# Altium PCB host_board.PcbDoc (part 3 of 7)
Units mm, origin at the board's own origin, x right, y up, seen from the top; angles counter-clockwise.
Board outline 87.1 x 62.94 mm, 4 copper layers (Top Layer, GND, Power, Bottom Layer), stack 1.59 mm thick; 217 components, 247 nets, 1076 pads, 563 vias.
Unrouted connection lines stored in the file: 56.
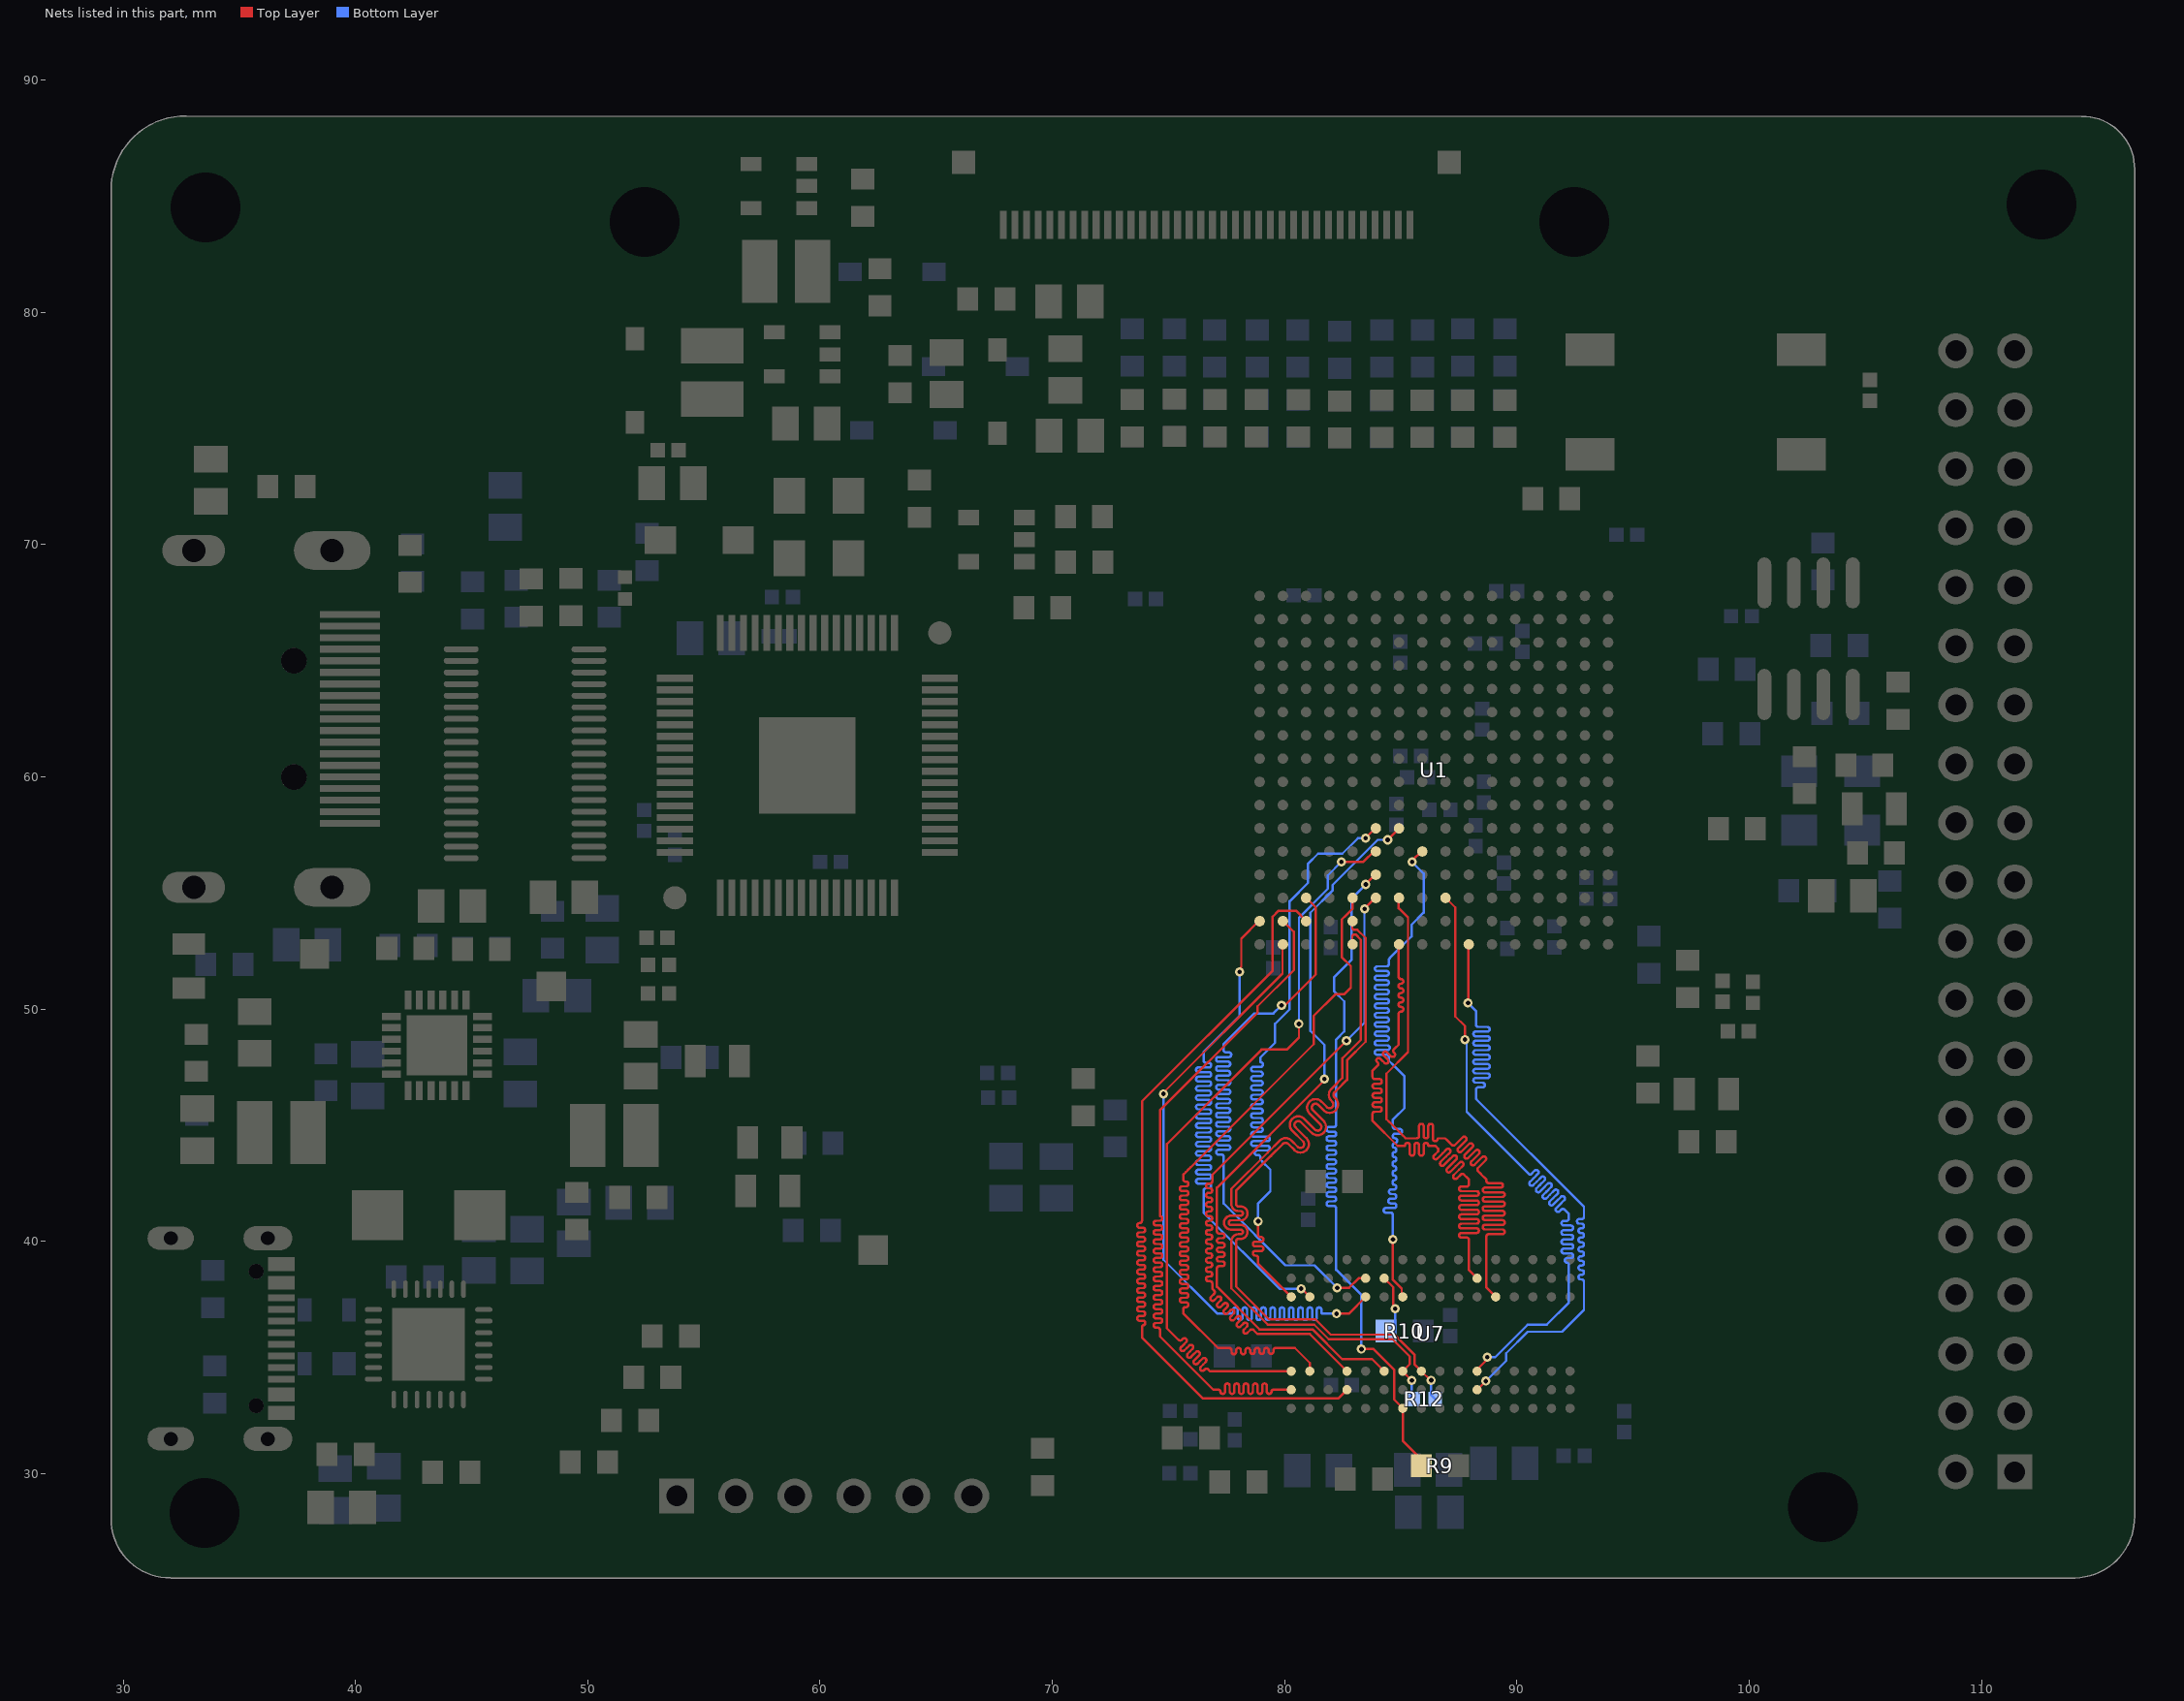
[diagram p5: the nets of this part, all layers, seen from the top]

## Via types
v1: diameter 0.4, hole 0.2, Top Layer to Bottom Layer, tented both sides, 485 vias
v2: diameter 0.4, hole 0.2, Top Layer to Bottom Layer, tented top, 61 vias
v3: diameter 0.5, hole 0.2, Top Layer to Bottom Layer, 9 vias
v4: diameter 0.4, hole 0.2, Top Layer to Bottom Layer, 8 vias

## Nets (pads, with @x,y where several pads share a name; then routed paths per layer and width w, separated by ;. In a path a pad name is that pad's centre, name@x,y a point inside that pad or via, vN(x,y) a via of type N, cw(c..) or ccw(c..) an arc to the next point about the centre after c; other vN are vias at no path point) (continued)
DDR_A8: U1.B2 U7.T8 | length 37.6
  Top Layer w0.1: U1.B2@79.905,53.82 80.39,53.335 80.39,51.688 78.83,50.128 78.83,49.846 74.63,45.646 74.63,41.195 74.63,41.095 cw(c74.63,40.995) 74.73,40.995 cw(c74.63,40.995) 74.63,40.895 74.461,40.895 ccw(c74.461,40.795) 74.361,40.795 ccw(c74.461,40.795) 74.461,40.695 74.63,40.695 cw(c74.63,40.595) 74.73,40.595 cw(c74.63,40.595) 74.63,40.495 74.461,40.495 ccw(c74.461,40.395) 74.361,40.395 ccw(c74.461,40.395) 74.461,40.295 74.63,40.295 cw(c74.63,40.195) 74.73,40.195 cw(c74.63,40.195) 74.63,40.095 74.461,40.095 ccw(c74.461,39.995) 74.361,39.995 ccw(c74.461,39.995) 74.461,39.895 74.63,39.895 cw(c74.63,39.795) 74.73,39.795 cw(c74.63,39.795) 74.63,39.695 74.461,39.695 ccw(c74.461,39.595) 74.361,39.595 ccw(c74.461,39.595) 74.461,39.495 74.63,39.495 cw(c74.63,39.395) 74.73,39.395 cw(c74.63,39.395) 74.63,39.295 74.461,39.295 ccw(c74.461,39.195) 74.361,39.195 ccw(c74.461,39.195) 74.461,39.095 74.63,39.095 cw(c74.63,38.995) 74.73,38.995 cw(c74.63,38.995) 74.63,38.895 74.461,38.895 ccw(c74.461,38.795) 74.361,38.795 ccw(c74.461,38.795) 74.461,38.695 74.63,38.695 cw(c74.63,38.595) 74.73,38.595 cw(c74.63,38.595) 74.63,38.495 74.461,38.495 ccw(c74.461,38.395) 74.361,38.395 ccw(c74.461,38.395) 74.461,38.295 74.63,38.295 cw(c74.63,38.195) 74.73,38.195 cw(c74.63,38.195) 74.63,38.095 74.461,38.095 ccw(c74.461,37.995) 74.361,37.995 ccw(c74.461,37.995) 74.461,37.895 74.63,37.895 cw(c74.63,37.795) 74.73,37.795 cw(c74.63,37.795) 74.63,37.695 74.461,37.695 ccw(c74.461,37.595) 74.361,37.595 ccw(c74.461,37.595) 74.461,37.495 74.63,37.495 cw(c74.63,37.395) 74.73,37.395 cw(c74.63,37.395) 74.63,37.295 74.461,37.295 ccw(c74.461,37.195) 74.361,37.195 ccw(c74.461,37.195) 74.461,37.095 74.63,37.095 cw(c74.63,36.995) 74.73,36.995 cw(c74.63,36.995) 74.63,36.895 74.461,36.895 ccw(c74.461,36.795) 74.361,36.795 ccw(c74.461,36.795) 74.461,36.695 74.63,36.695 cw(c74.63,36.595) 74.73,36.595 cw(c74.63,36.595) 74.63,36.495 74.461,36.495 ccw(c74.461,36.395) 74.361,36.395 ccw(c74.461,36.395) 74.461,36.295 74.53,36.295 cw(c74.53,36.195) 74.63,36.195 74.63,36.148 74.63,35.92 76.93,33.62 77.105,33.62 77.155,33.62 cw(c77.155,33.545) 77.23,33.545 ccw(c77.33,33.545) 77.33,33.445 ccw(c77.33,33.545) 77.43,33.545 77.43,33.62 77.43,33.789 cw(c77.53,33.789) 77.53,33.889 cw(c77.53,33.789) 77.63,33.789 77.63,33.62 77.63,33.545 ccw(c77.73,33.545) 77.73,33.445 ccw(c77.73,33.545) 77.83,33.545 77.83,33.62 77.83,33.789 cw(c77.93,33.789) 77.93,33.889 cw(c77.93,33.789) 78.03,33.789 78.03,33.62 78.03,33.545 ccw(c78.13,33.545) 78.13,33.445 ccw(c78.13,33.545) 78.23,33.545 78.23,33.62 78.23,33.789 cw(c78.33,33.789) 78.33,33.889 cw(c78.33,33.789) 78.43,33.789 78.43,33.62 78.43,33.545 ccw(c78.53,33.545) 78.53,33.445 ccw(c78.53,33.545) 78.63,33.545 78.63,33.62 78.63,33.789 cw(c78.73,33.789) 78.73,33.889 cw(c78.73,33.789) 78.83,33.789 78.83,33.62 78.83,33.545 ccw(c78.93,33.545) 78.93,33.445 ccw(c78.93,33.545) 79.03,33.545 79.03,33.62 79.03,33.789 cw(c79.13,33.789) 79.13,33.889 cw(c79.13,33.789) 79.23,33.789 79.23,33.62 79.23,33.545 ccw(c79.33,33.545) 79.33,33.445 ccw(c79.33,33.545) 79.43,33.545 cw(c79.505,33.545) 79.505,33.62 79.53,33.62 U7.T8@80.28,33.62
DDR_A9: U1.A2 U7.R3 | length 34.8
  Top Layer w0.1: v1(78.061,51.611) 78.061,51.629 78.109,51.677 78.109,51.807 78.13,51.829 78.13,53.045 U1.A2@78.905,53.82 ; v2@80.705,37.995 U7.R3@81.08,37.62
  Bottom Layer w0.1: v1(78.061,51.611) 78.051,51.601 78.051,49.701 76.509,48.159 76.509,47.795 ccw(c76.609,47.795) 76.609,47.695 76.734,47.695 cw(c76.734,47.595) 76.834,47.595 cw(c76.734,47.595) 76.734,47.495 76.509,47.495 76.284,47.495 ccw(c76.284,47.395) 76.184,47.395 ccw(c76.284,47.395) 76.284,47.295 76.509,47.295 76.734,47.295 cw(c76.734,47.195) 76.834,47.195 cw(c76.734,47.195) 76.734,47.095 76.509,47.095 76.284,47.095 ccw(c76.284,46.995) 76.184,46.995 ccw(c76.284,46.995) 76.284,46.895 76.509,46.895 76.734,46.895 cw(c76.734,46.795) 76.834,46.795 cw(c76.734,46.795) 76.734,46.695 76.509,46.695 76.284,46.695 ccw(c76.284,46.595) 76.184,46.595 ccw(c76.284,46.595) 76.284,46.495 76.509,46.495 76.734,46.495 cw(c76.734,46.395) 76.834,46.395 cw(c76.734,46.395) 76.734,46.295 76.509,46.295 76.284,46.295 ccw(c76.284,46.195) 76.184,46.195 ccw(c76.284,46.195) 76.284,46.095 76.509,46.095 76.734,46.095 cw(c76.734,45.995) 76.834,45.995 cw(c76.734,45.995) 76.734,45.895 76.509,45.895 76.284,45.895 ccw(c76.284,45.795) 76.184,45.795 ccw(c76.284,45.795) 76.284,45.695 76.509,45.695 76.734,45.695 cw(c76.734,45.595) 76.834,45.595 cw(c76.734,45.595) 76.734,45.495 76.509,45.495 76.284,45.495 ccw(c76.284,45.395) 76.184,45.395 ccw(c76.284,45.395) 76.284,45.295 76.509,45.295 76.734,45.295 cw(c76.734,45.195) 76.834,45.195 cw(c76.734,45.195) 76.734,45.095 76.509,45.095 76.284,45.095 ccw(c76.284,44.995) 76.184,44.995 ccw(c76.284,44.995) 76.284,44.895 76.509,44.895 76.734,44.895 cw(c76.734,44.795) 76.834,44.795 cw(c76.734,44.795) 76.734,44.695 76.509,44.695 76.284,44.695 ccw(c76.284,44.595) 76.184,44.595 ccw(c76.284,44.595) 76.284,44.495 76.509,44.495 76.734,44.495 cw(c76.734,44.395) 76.834,44.395 cw(c76.734,44.395) 76.734,44.295 76.509,44.295 76.284,44.295 ccw(c76.284,44.195) 76.184,44.195 ccw(c76.284,44.195) 76.284,44.095 76.509,44.095 76.734,44.095 cw(c76.734,43.995) 76.834,43.995 cw(c76.734,43.995) 76.734,43.895 76.509,43.895 76.284,43.895 ccw(c76.284,43.795) 76.184,43.795 ccw(c76.284,43.795) 76.284,43.695 76.509,43.695 76.734,43.695 cw(c76.734,43.595) 76.834,43.595 cw(c76.734,43.595) 76.734,43.495 76.509,43.495 76.284,43.495 ccw(c76.284,43.395) 76.184,43.395 ccw(c76.284,43.395) 76.284,43.295 76.509,43.295 76.734,43.295 cw(c76.734,43.195) 76.834,43.195 cw(c76.734,43.195) 76.734,43.095 76.509,43.095 76.284,43.095 ccw(c76.284,42.995) 76.184,42.995 ccw(c76.284,42.995) 76.284,42.895 76.509,42.895 76.734,42.895 cw(c76.734,42.795) 76.834,42.795 cw(c76.734,42.795) 76.734,42.695 76.509,42.695 76.284,42.695 ccw(c76.284,42.595) 76.184,42.595 ccw(c76.284,42.595) 76.284,42.495 76.509,42.495 76.734,42.495 cw(c76.734,42.395) 76.834,42.395 cw(c76.734,42.395) 76.734,42.295 76.609,42.295 ccw(c76.609,42.195) 76.509,42.195 76.509,42.12 76.509,41.241 79.78,37.97 v2(80.705,37.97)
DDR_A10: U1.G6 U7.L7 | length 34.5
  Top Layer w0.1: v1(81.705,46.995) 81.705,46.945 77.08,42.32 77.08,40.443 ccw(c77.18,40.443) 77.18,40.343 77.319,40.343 cw(c77.319,40.243) 77.419,40.243 cw(c77.319,40.243) 77.319,40.143 77.18,40.143 ccw(c77.18,40.043) 77.08,40.043 ccw(c77.18,40.043) 77.18,39.943 77.319,39.943 cw(c77.319,39.843) 77.419,39.843 cw(c77.319,39.843) 77.319,39.743 77.18,39.743 ccw(c77.18,39.643) 77.08,39.643 ccw(c77.18,39.643) 77.18,39.543 77.319,39.543 cw(c77.319,39.443) 77.419,39.443 cw(c77.319,39.443) 77.319,39.343 77.18,39.343 ccw(c77.18,39.243) 77.08,39.243 ccw(c77.18,39.243) 77.18,39.143 77.319,39.143 cw(c77.319,39.043) 77.419,39.043 cw(c77.319,39.043) 77.319,38.943 77.18,38.943 ccw(c77.18,38.843) 77.08,38.843 77.08,38.743 77.08,38.543 77.08,38.433 77.08,38.395 77.08,38.053 78.913,36.22 81.189,36.22 82.469,34.94 83.76,34.94 U7.L7@84.28,34.42 ; v1(84.43,57.295) 84.905,57.77 U1.G6@84.905,57.82
  Bottom Layer w0.1: v1(81.705,46.995) 81.705,48.468 81.105,49.068 81.105,54.152 82.055,55.102 82.055,55.345 84.005,57.295 v1(84.43,57.295)
DDR_A11: U1.E3 U7.R7 | length 37.7
  Top Layer w0.1: U7.R7@81.08,34.42 81.08,34.774 80.434,35.42 79.95,35.42 79.91,35.42 79.71,35.42 79.61,35.42 ccw(c79.61,35.32) 79.51,35.32 79.51,35.266 cw(c79.41,35.266) 79.41,35.166 cw(c79.41,35.266) 79.31,35.266 79.31,35.32 ccw(c79.21,35.32) 79.21,35.42 ccw(c79.21,35.32) 79.11,35.32 79.11,35.266 cw(c79.01,35.266) 79.01,35.166 cw(c79.01,35.266) 78.91,35.266 78.91,35.32 ccw(c78.81,35.32) 78.81,35.42 ccw(c78.81,35.32) 78.71,35.32 78.71,35.266 cw(c78.61,35.266) 78.61,35.166 cw(c78.61,35.266) 78.51,35.266 78.51,35.32 ccw(c78.41,35.32) 78.41,35.42 ccw(c78.41,35.32) 78.31,35.32 78.31,35.251 cw(c78.21,35.251) 78.21,35.151 cw(c78.21,35.251) 78.11,35.251 78.11,35.32 ccw(c78.01,35.32) 78.01,35.42 ccw(c78.01,35.32) 77.91,35.32 77.91,35.251 cw(c77.81,35.251) 77.81,35.151 cw(c77.81,35.251) 77.71,35.251 77.71,35.32 ccw(c77.61,35.32) 77.61,35.42 77.51,35.42 77.41,35.42 77.13,35.42 75.632,36.918 75.632,37.01 75.632,37.079 cw(c75.732,37.079) 75.732,37.179 75.755,37.179 ccw(c75.755,37.279) 75.855,37.279 ccw(c75.755,37.279) 75.755,37.379 75.632,37.379 75.58,37.379 cw(c75.58,37.479) 75.48,37.479 cw(c75.58,37.479) 75.58,37.579 75.632,37.579 75.755,37.579 ccw(c75.755,37.679) 75.855,37.679 ccw(c75.755,37.679) 75.755,37.779 75.632,37.779 75.58,37.779 cw(c75.58,37.879) 75.48,37.879 cw(c75.58,37.879) 75.58,37.979 75.632,37.979 75.755,37.979 ccw(c75.755,38.079) 75.855,38.079 ccw(c75.755,38.079) 75.755,38.179 75.632,38.179 75.58,38.179 cw(c75.58,38.279) 75.48,38.279 cw(c75.58,38.279) 75.58,38.379 75.632,38.379 75.755,38.379 ccw(c75.755,38.479) 75.855,38.479 ccw(c75.755,38.479) 75.755,38.579 75.632,38.579 75.58,38.579 cw(c75.58,38.679) 75.48,38.679 cw(c75.58,38.679) 75.58,38.779 75.632,38.779 75.755,38.779 ccw(c75.755,38.879) 75.855,38.879 ccw(c75.755,38.879) 75.755,38.979 75.632,38.979 75.58,38.979 cw(c75.58,39.079) 75.48,39.079 cw(c75.58,39.079) 75.58,39.179 75.632,39.179 75.755,39.179 ccw(c75.755,39.279) 75.855,39.279 ccw(c75.755,39.279) 75.755,39.379 75.632,39.379 75.58,39.379 cw(c75.58,39.479) 75.48,39.479 cw(c75.58,39.479) 75.58,39.579 75.632,39.579 75.755,39.579 ccw(c75.755,39.679) 75.855,39.679 ccw(c75.755,39.679) 75.755,39.779 75.632,39.779 75.58,39.779 cw(c75.58,39.879) 75.48,39.879 cw(c75.58,39.879) 75.58,39.979 75.632,39.979 75.755,39.979 ccw(c75.755,40.079) 75.855,40.079 ccw(c75.755,40.079) 75.755,40.179 75.632,40.179 75.58,40.179 cw(c75.58,40.279) 75.48,40.279 cw(c75.58,40.279) 75.58,40.379 75.632,40.379 75.755,40.379 ccw(c75.755,40.479) 75.855,40.479 ccw(c75.755,40.479) 75.755,40.579 75.632,40.579 75.58,40.579 cw(c75.58,40.679) 75.48,40.679 cw(c75.58,40.679) 75.58,40.779 75.632,40.779 75.755,40.779 ccw(c75.755,40.879) 75.855,40.879 ccw(c75.755,40.879) 75.755,40.979 75.632,40.979 75.58,40.979 cw(c75.58,41.079) 75.48,41.079 cw(c75.58,41.079) 75.58,41.179 75.632,41.179 75.755,41.179 ccw(c75.755,41.279) 75.855,41.279 ccw(c75.755,41.279) 75.755,41.379 75.632,41.379 75.58,41.379 cw(c75.58,41.479) 75.48,41.479 cw(c75.58,41.479) 75.58,41.579 75.632,41.579 75.755,41.579 ccw(c75.755,41.679) 75.855,41.679 ccw(c75.755,41.679) 75.755,41.779 75.632,41.779 75.58,41.779 cw(c75.58,41.879) 75.48,41.879 cw(c75.58,41.879) 75.58,41.979 75.632,41.979 75.755,41.979 ccw(c75.755,42.079) 75.855,42.079 ccw(c75.755,42.079) 75.755,42.179 75.632,42.179 75.58,42.179 cw(c75.58,42.279) 75.48,42.279 cw(c75.58,42.279) 75.58,42.379 75.632,42.379 75.755,42.379 ccw(c75.755,42.479) 75.855,42.479 ccw(c75.755,42.479) 75.755,42.579 75.732,42.579 cw(c75.732,42.679) 75.632,42.679 75.632,42.779 75.632,42.879 75.738,42.986 75.88,43.127 75.95,43.198 81.251,48.498 81.251,49.716 82.18,50.645 82.555,50.645 82.843,50.932 82.843,51.858 82.455,52.245 82.455,53.86 82.655,54.06 82.92,54.325 U1.E3@82.92,54.793
DDR_A12: U1.F3 U7.N7 | length 34.6
  Top Layer w0.1: v1(82.655,48.645) 76.88,42.87 76.88,42.62 76.88,42.595 cw(c76.78,42.595) 76.78,42.495 76.711,42.495 ccw(c76.711,42.395) 76.611,42.395 ccw(c76.711,42.395) 76.711,42.295 76.78,42.295 cw(c76.78,42.195) 76.88,42.195 cw(c76.78,42.195) 76.78,42.095 76.711,42.095 ccw(c76.711,41.995) 76.611,41.995 ccw(c76.711,41.995) 76.711,41.895 76.78,41.895 cw(c76.78,41.795) 76.88,41.795 cw(c76.78,41.795) 76.78,41.695 76.711,41.695 ccw(c76.711,41.595) 76.611,41.595 ccw(c76.711,41.595) 76.711,41.495 76.78,41.495 cw(c76.78,41.395) 76.88,41.395 cw(c76.78,41.395) 76.78,41.295 76.711,41.295 ccw(c76.711,41.195) 76.611,41.195 ccw(c76.711,41.195) 76.711,41.095 76.78,41.095 cw(c76.78,40.995) 76.88,40.995 cw(c76.78,40.995) 76.78,40.895 76.711,40.895 ccw(c76.711,40.795) 76.611,40.795 ccw(c76.711,40.795) 76.711,40.695 76.78,40.695 cw(c76.78,40.595) 76.88,40.595 cw(c76.78,40.595) 76.78,40.495 76.711,40.495 ccw(c76.711,40.395) 76.611,40.395 ccw(c76.711,40.395) 76.711,40.295 76.78,40.295 cw(c76.78,40.195) 76.88,40.195 cw(c76.78,40.195) 76.78,40.095 76.711,40.095 ccw(c76.711,39.995) 76.611,39.995 ccw(c76.711,39.995) 76.711,39.895 76.78,39.895 cw(c76.78,39.795) 76.88,39.795 cw(c76.78,39.795) 76.78,39.695 76.711,39.695 ccw(c76.711,39.595) 76.611,39.595 ccw(c76.711,39.595) 76.711,39.495 76.78,39.495 cw(c76.78,39.395) 76.88,39.395 cw(c76.78,39.395) 76.78,39.295 76.711,39.295 ccw(c76.711,39.195) 76.611,39.195 ccw(c76.711,39.195) 76.711,39.095 76.78,39.095 cw(c76.78,38.995) 76.88,38.995 cw(c76.78,38.995) 76.78,38.895 76.711,38.895 ccw(c76.711,38.795) 76.611,38.795 ccw(c76.711,38.795) 76.711,38.695 76.78,38.695 cw(c76.78,38.595) 76.88,38.595 cw(c76.78,38.595) 76.78,38.495 76.711,38.495 ccw(c76.711,38.395) 76.611,38.395 ccw(c76.711,38.395) 76.711,38.295 76.78,38.295 cw(c76.78,38.195) 76.88,38.195 76.88,37.97 76.955,37.895 76.958,37.892 cw(c76.887,37.821) 76.958,37.751 76.828,37.62 ccw(c76.898,37.55) 76.828,37.479 ccw(c76.898,37.55) 76.969,37.479 77.099,37.609 cw(c77.17,37.539) 77.241,37.609 cw(c77.17,37.539) 77.241,37.468 77.11,37.337 ccw(c77.181,37.267) 77.11,37.196 ccw(c77.181,37.267) 77.252,37.196 77.382,37.326 cw(c77.453,37.256) 77.524,37.326 cw(c77.453,37.256) 77.524,37.185 77.393,37.055 ccw(c77.464,36.984) 77.393,36.913 ccw(c77.464,36.984) 77.535,36.913 77.665,37.044 cw(c77.736,36.973) 77.806,37.044 cw(c77.736,36.973) 77.806,36.902 77.676,36.772 ccw(c77.747,36.701) 77.676,36.63 ccw(c77.747,36.701) 77.817,36.63 77.948,36.761 cw(c78.019,36.69) 78.089,36.761 cw(c78.019,36.69) 78.089,36.619 77.959,36.489 ccw(c78.03,36.418) 77.959,36.347 ccw(c78.03,36.418) 78.1,36.347 78.231,36.478 cw(c78.301,36.407) 78.372,36.478 cw(c78.301,36.407) 78.372,36.336 78.242,36.206 ccw(c78.312,36.135) 78.242,36.065 ccw(c78.312,36.135) 78.383,36.065 78.514,36.195 cw(c78.584,36.124) 78.655,36.195 78.83,36.02 81.08,36.02 U7.N7@82.68,34.42 ; v1(83.435,54.32) 83.435,54.338 U1.F3@83.905,54.808
  Bottom Layer w0.1: v1(82.655,48.645) 83.43,49.42 83.43,54.315 v1(83.435,54.32)
DDR_A13: U1.F6 U7.T3 | length 34.6
  Top Layer w0.1: v1(78.855,40.87) 78.855,40.344 78.855,40.294 ccw(c78.955,40.294) 78.955,40.194 78.982,40.194 cw(c78.982,40.094) 78.982,39.994 78.729,39.994 ccw(c78.729,39.894) 78.729,39.794 78.982,39.794 cw(c78.982,39.694) 78.982,39.594 78.729,39.594 ccw(c78.729,39.494) 78.729,39.394 78.755,39.394 cw(c78.755,39.294) 78.855,39.294 78.855,39.068 78.855,39.045 U7.T3@80.28,37.62 ; v1(83.48,57.37) 83.48,57.383 83.905,57.807 U1.F6@83.905,57.82
  Bottom Layer w0.1: v1(78.855,40.87) 78.855,41.647 79.38,42.172 79.38,43.095 79.03,43.445 79.026,43.449 78.955,43.52 78.955,43.62 ccw(c78.855,43.62) 78.855,43.72 78.805,43.72 cw(c78.805,43.82) 78.705,43.82 cw(c78.805,43.82) 78.805,43.92 78.955,43.92 79.255,43.92 ccw(c79.255,44.02) 79.355,44.02 ccw(c79.255,44.02) 79.255,44.12 78.955,44.12 78.655,44.12 cw(c78.655,44.22) 78.555,44.22 cw(c78.655,44.22) 78.655,44.32 78.955,44.32 79.255,44.32 ccw(c79.255,44.42) 79.355,44.42 ccw(c79.255,44.42) 79.255,44.52 78.955,44.52 78.655,44.52 cw(c78.655,44.62) 78.555,44.62 cw(c78.655,44.62) 78.655,44.72 78.955,44.72 ccw(c78.955,44.818) 79.053,44.818 79.053,44.822 ccw(c78.955,44.822) 78.955,44.92 78.655,44.92 cw(c78.655,45.02) 78.555,45.02 cw(c78.655,45.02) 78.655,45.12 78.955,45.12 ccw(c78.955,45.218) 79.053,45.218 79.053,45.222 ccw(c78.955,45.222) 78.955,45.32 78.655,45.32 cw(c78.655,45.42) 78.555,45.42 cw(c78.655,45.42) 78.655,45.52 78.955,45.52 ccw(c78.955,45.618) 79.053,45.618 79.053,45.622 ccw(c78.955,45.622) 78.955,45.72 78.655,45.72 cw(c78.655,45.82) 78.555,45.82 cw(c78.655,45.82) 78.655,45.92 78.955,45.92 ccw(c78.955,46.018) 79.053,46.018 79.053,46.022 ccw(c78.955,46.022) 78.955,46.12 78.655,46.12 cw(c78.655,46.22) 78.555,46.22 cw(c78.655,46.22) 78.655,46.32 78.955,46.32 ccw(c78.955,46.418) 79.053,46.418 79.053,46.422 ccw(c78.955,46.422) 78.955,46.52 78.655,46.52 cw(c78.655,46.62) 78.555,46.62 cw(c78.655,46.62) 78.655,46.72 78.955,46.72 ccw(c78.955,46.818) 79.053,46.818 79.053,46.822 ccw(c78.955,46.822) 78.955,46.92 78.655,46.92 cw(c78.655,47.02) 78.555,47.02 cw(c78.655,47.02) 78.655,47.12 78.955,47.12 ccw(c78.955,47.218) 79.053,47.218 79.053,47.222 ccw(c78.955,47.222) 78.955,47.32 78.655,47.32 cw(c78.655,47.42) 78.555,47.42 cw(c78.655,47.42) 78.655,47.52 78.955,47.52 78.964,47.52 ccw(c78.964,47.62) 79.064,47.62 ccw(c78.964,47.62) 78.964,47.72 78.955,47.72 78.955,47.82 78.955,47.927 79.58,48.552 79.58,49.37 80.21,50 80.21,54.652 81.005,55.446 81.005,56.265 81.439,56.699 82.48,56.699 83.151,57.37 v1(83.48,57.37)
DDR_A14: U1.F5 U7.T7 | length 34.9
  Top Layer w0.1: U7.T7@80.28,34.42 76.779,34.42 76.72,34.48 76.703,34.497 ccw(c76.632,34.426) 76.561,34.497 76.528,34.464 cw(c76.458,34.535) 76.387,34.464 cw(c76.458,34.535) 76.387,34.606 76.49,34.709 76.601,34.82 ccw(c76.53,34.89) 76.601,34.961 ccw(c76.53,34.89) 76.459,34.961 76.349,34.85 76.246,34.747 cw(c76.175,34.818) 76.104,34.747 cw(c76.175,34.818) 76.104,34.888 76.208,34.992 76.318,35.102 ccw(c76.247,35.173) 76.318,35.244 ccw(c76.247,35.173) 76.177,35.244 76.066,35.133 75.963,35.03 cw(c75.892,35.101) 75.821,35.03 cw(c75.892,35.101) 75.821,35.171 75.925,35.275 76.035,35.385 ccw(c75.964,35.456) 76.035,35.527 ccw(c75.964,35.456) 75.894,35.527 75.783,35.416 75.68,35.313 cw(c75.609,35.383) 75.538,35.313 cw(c75.609,35.383) 75.538,35.454 75.642,35.558 75.752,35.668 ccw(c75.682,35.739) 75.752,35.81 ccw(c75.682,35.739) 75.611,35.81 75.571,35.77 cw(c75.5,35.84) 75.43,35.77 74.93,36.269 74.93,44.195 79.001,48.266 80.096,48.266 80.61,48.78 v1(80.61,49.37) ; v1(82.441,56.349) 83.384,56.349 83.855,56.82 U1.F5@83.905,56.82